# Altium PCB board.PcbDoc (part 2 of 2)
Units mil, origin at the board's own origin, x right, y up, seen from the top; angles counter-clockwise.
Board outline 7874.76 x 4803.15 mil, 2 copper layers (Top Layer, Bottom Layer); 212 components, 159 nets, 580 pads, 46 vias.
Unrouted connection lines stored in the file: 2.
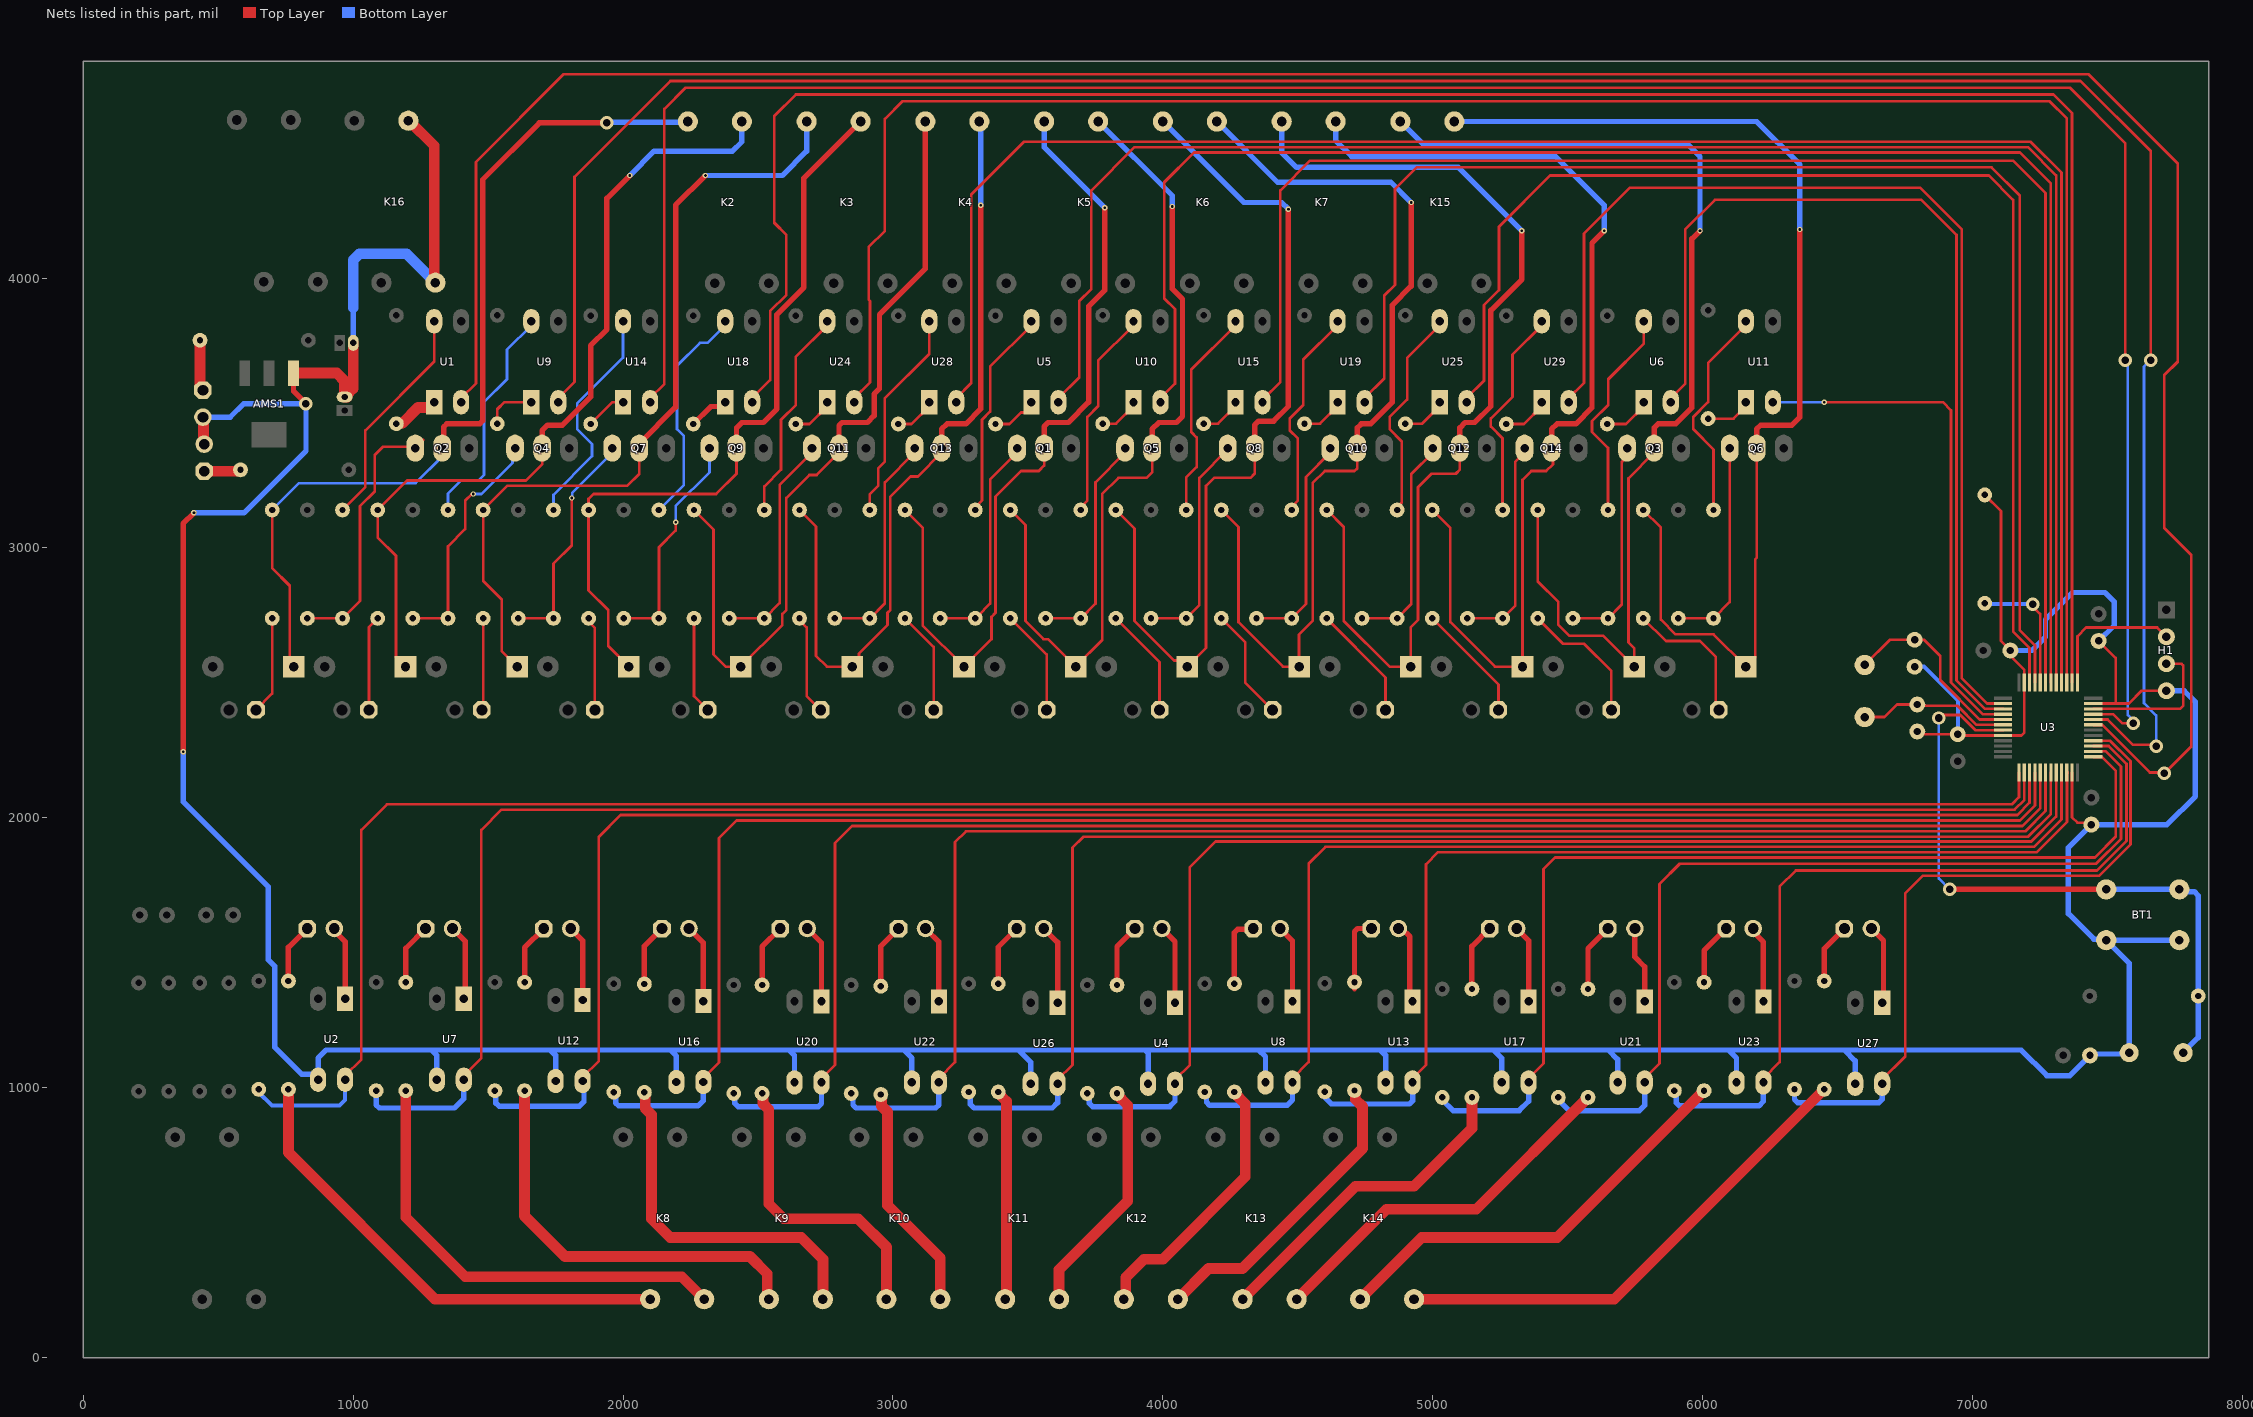
[diagram p2: the nets of this part, all layers, seen from the top]

## Via types
v1: diameter 20, hole 10, Top Layer to Bottom Layer, 27 vias
v2: diameter 50, hole 28, Top Layer to Bottom Layer, 14 vias
v3: diameter 157.48, hole 157.48, Top Layer to Bottom Layer, 4 vias
v4: diameter 30, hole 15, Top Layer to Bottom Layer, 1 vias

## Nets (pads, with @x,y where several pads share a name; then routed paths per layer and width w, separated by ;. In a path a pad name is that pad's centre, name@x,y a point inside that pad or via, vN(x,y) a via of type N, cw(c..) or ccw(c..) an arc to the next point about the centre after c; other vN are vias at no path point) (continued)
GND_33: AMS1.1 BT1.1 C1.2 C2.2 C3.2 C4.2 C5.2 C6.2 C7.2 C8.2 C12.2 C13.2 H1.4 K16.2 K16.4 L2.2 L3.2 R11.2 U2.3 U3.8 U3.23 U3.35 U3.47 U4.3 U7.3 U8.3 U12.3 U13.3 U16.3 U17.3 U20.3 U21.3 U22.3 U23.3 U26.3 U27.3 | length 19365.3
  Top Layer w10: C7.2@6820.57,2309.82 C3.2@6945.18,2309.82 ; C3.2@6935,2310 6939.53,2305.47 U3.8@7113.15,2305.47 7180.47,2305.47 7191.42,2316.42 U3.47@7191.42,2501.85 7191.42,2548.58 7148.43,2591.57 7148.43,2611.57 C4.2@7140,2620 7105,2655 7105,3136.57 R11.2@7045,3196.57 ; U3.23@7368.58,2168.15 7368.58,2001.42 7387.97,1982.03 C2.2@7432.97,1982.03 ; U3.35@7446.85,2423.58 7530,2423.58 ; C5.2@7466.77,2655.44 7530,2592.21 7530,2423.58 ; H1.4@7718,2471 7626,2471 7578.58,2423.58 7530,2423.58
  Top Layer w15: C2.2@7432.97,1982.03 C2.2@7440,1975
  Top Layer w20: v1(370,2245) 370,3090 v1(410,3130) ; AMS1.1@778.69,3647.83 778.69,3581.31 v2(825,3535)
  Top Layer w40: L3.2@443.14,3484.48 445.64,3481.98 445.64,3386.98 L2.2@448.14,3384.48 ; AMS1.1@778.69,3647.83 938.74,3647.83 968.14,3618.43 C12.2@968.14,3559.48 977.35,3559.48 977.67,3559.8 977.67,3569.01 1000,3591.34 C13.2@1000,3760 ; K16.4@1204.72,4583 1207,4583 1300,4490 1300,3987.72 K16.2@1304.72,3983
  Bottom Layer w15: C6.2@6785,2560 6820,2560 6945.18,2434.82 C3.2@6945.18,2309.82
  Bottom Layer w20: v1(370,2245) 370,2060 685,1745 685,1475 710,1450 710,1150 810,1050 851.52,1050 U2.3@870,1031.52 ; v1(410,3130) 595,3130 825,3360 v2(825,3535) 595,3535 544.48,3484.48 L3.2@443.14,3484.48 ; U2.3@870,1030 U2.3@870,1031.52 ; C13.2@1000,3760 1000,3890 ; U7.3@1310,1030 1310,1120 1290,1140 ; U12.3@1750,1025 1750,1120 1730,1140 ; U16.3@2197.46,1021.19 2197.46,1117.54 2175,1140 ; U20.3@2635,1020 2635,1120 2615,1140 ; U22.3@3070,1020 3070,1110 3040,1140 ; U26.3@3510,1015 3510,1095 3465,1140 ; U4.3@3945,1015 3945,1128.28 3933.28,1140 ; U8.3@4380,1020 4380,1115 4355,1140 ; U13.3@4825,1020 4825,1120 4805,1140 ; U17.3@5255,1020 5255,1110 5225,1140 ; U21.3@5685,1020 5685,1105 5650,1140 ; U23.3@6125,1020 6125,1110 6095,1140 ; U27.3@6565,1015 6565,1100 6525,1140 ; C4.2@7140,2620 7220,2620 7270,2670 7270,2735 7370,2835 7490,2835 7525,2800 7525,2713.67 C5.2@7466.77,2655.44 ; BT1.1@7495,1550.52 7449.48,1550.52 7355,1645 7355,1890 C2.2@7440,1975 7720,1975 7825,2080 7825,2430 7784,2471 H1.4@7718,2471 ; BT1.1@7766,1547 BT1.1@7495,1547 7580,1462 C8.2@7580,1130 7575,1125 7440,1125 C1.2@7435,1120 7360,1045 7275,1045 7180,1140 6525,1140 ; U2.3@870,1031.52 870,1110 900,1140 1290,1140 ; 1290,1140 1730,1140 ; 1730,1140 2175,1140 ; 2175,1140 2615,1140 ; 2615,1140 3040,1140 ; 3040,1140 3465,1140 ; 3465,1140 3933.28,1140 ; 3933.28,1140 4355,1140 ; 4355,1140 4805,1140 ; 4805,1140 5225,1140 ; 5225,1140 5650,1140 ; 5650,1140 6095,1140 ; 6095,1140 6525,1140
  Bottom Layer w40: 1000,3890 1000,4066.57 1023.43,4090 1197.72,4090 K16.2@1304.72,3983
IN1: K8.4 R16.1 | length 1799.7
  Top Layer w40: R16.1@760,994.21 760,760 1303.31,216.69 K8.4@2100.43,216.69
IN2: K8.3 R29.1 | length 1700.3
  Top Layer w40: R29.1@1195,989.21 1195,520 1415,300 2217.11,300 K8.3@2300.43,216.69
IN3: K9.4 R43.1 | length 1548.8
  Top Layer w40: R43.1@1635,989.21 1635,525 1785,375 2470,375 2533.77,311.23 2533.77,223.34 K9.4@2540.43,216.69
IN4: K9.3 R55.1 | length 1324.4
  Top Layer w40: R55.1@2078.84,982.89 2081.73,980 2081.73,923.27 2105,900 2105,515 2175,445 2660,445 2740.43,364.57 K9.3@2740.43,216.69
IN5: K10.4 R65.1 | length 1114.3
  Top Layer w40: R65.1@2515,979.21 2517.89,976.32 2517.89,942.11 2540,920 2540,570 2595,515 2870,515 2975.43,409.57 K10.4@2975.43,216.69
IN6: K10.3 R73.1 | length 849.6
  Top Layer w40: R73.1@2955,975 2957.89,972.11 2957.89,932.11 2980,910 2980,565 3175.43,369.57 K10.3@3175.43,216.69
IN7: K11.4 R83.1 | length 781.8
  Top Layer w40: R83.1@3390,984.21 3390,980.12 3420,950.12 3420,221.26 K11.4@3415.43,216.69
IN8: K11.3 R17.1 | length 884.5
  Top Layer w40: K11.3@3615.43,216.69 3615.43,325.43 3870,580 3870,935.12 3830,975.12 R17.1@3830,979.21
IN9: K12.4 R30.1 | length 1011.3
  Top Layer w40: K12.4@3855.43,216.69 3862.09,223.34 3862.09,297.09 3930,365 4000,365 4305,670 4305,940.12 4265,980.12 R30.1@4265,984.21
IN10: K12.3 R44.1 | length 1143.3
  Top Layer w40: K12.3@4055.43,216.69 4168.74,330 4295,330 4740,775 4740,930.12 4712.89,957.23 4712.89,987.11 R44.1@4710,990
IN11: K13.4 R56.1 | length 1226.1
  Top Layer w40: K13.4@4295.43,216.69 4713.74,635 4930,635 5145,850 R56.1@5145,964.21
IN12: K13.3 R66.1 | length 1389.2
  Top Layer w40: K13.3@4495.43,216.69 4828.74,550 5160.79,550 R66.1@5575,964.21
IN13: K14.4 R74.1 | length 1594.6
  Top Layer w40: K14.4@4730.43,216.69 4958.74,445 5460.79,445 R74.1@6005,989.21
IN14: K14.3 R84.1 | length 1841.6
  Top Layer w40: K14.3@4930.43,216.69 5672.47,216.69 R84.1@6450,994.21
NetBT1_2: BT1.2 C8.1 R12.1 U3.7 | length 2452.9
  Top Layer w10: v2(6875,2370) 6885.77,2380.77 6954.23,2380.77 7009.84,2325.16 U3.7@7113.15,2325.16
  Top Layer w20: v2(6915,1735) BT1.2@7495,1735
  Bottom Layer w10: v2(6875,2370) 6875,1775 v2(6915,1735)
  Bottom Layer w20: BT1.2@7495,1735 BT1.2@7766,1735 7774.5,1726.5 7821.78,1726.5 7835.79,1712.5 R12.1@7835.79,1340 7835.79,1185.79 C8.1@7780,1130
NetC6_1: C6.1 U3.5 Y1.2 | length 727
  Top Layer w10: Y1.2@6600,2566.46 6693.54,2660 C6.1@6785,2660 6820,2660 6880,2600 6880,2510 7025.47,2364.53 U3.5@7113.15,2364.53
NetC7_1: C7.1 U3.6 Y1.1 | length 563.5
  Top Layer w10: Y1.1@6600,2373.54 6673.54,2373.54 6720,2420 6820,2420 6825,2415 6945,2415 7015.16,2344.84 U3.6@7113.15,2344.84
NetL1_1: L1.1 R16.2 | length 223.2
  Top Layer w20: R16.2@760,1395.79 760,1520 L1.1@830,1590
NetL1_2: L1.2 U2.1 | length 276.6
  Top Layer w20: L1.2@930,1590 930,1581.61 970,1541.61 U2.1@970,1330
NetL2_1: L2.1 R9.1 | length 136.3
  Top Layer w40: L2.1@448.14,3284.48 573.26,3284.48 578.26,3289.48 R9.1@582.35,3289.48
NetL3_1: L3.1 R10.1 | length 189.5
  Top Layer w40: R10.1@432.35,3769.48 432.35,3599.8 443.14,3589.02 L3.1@443.14,3584.48
NetL4_1: L4.1 R17.2 | length 236.8
  Top Layer w20: R17.2@3830,1380.79 3830,1523.46 L4.1@3896.54,1590
NetL4_2: L4.2 U4.1 | length 295.1
  Top Layer w20: L4.2@3996.54,1590 4045,1541.54 U4.1@4045,1315
NetL5_1: L5.1 R22.1 | length 364.1
  Top Layer w10: L5.1@640,2400 700,2460 R22.1@700,2739.21
NetL6_1: L6.1 R23.1 | length 383.3
  Top Layer w10: R23.1@3044.39,2739.21 3150.77,2632.83 L6.1@3150.77,2400
NetL7_1: L7.1 R24.1 | length 497.3
  Top Layer w10: R24.1@5388.78,2739.21 5482.99,2645 5560,2645 5661.54,2543.46 L7.1@5661.54,2400
NetL8_1: L8.1 R29.2 | length 229.5
  Top Layer w20: R29.2@1195,1390.79 1195,1516.92 L8.1@1268.08,1590
NetL8_2: L8.2 U7.1 | length 281.5
  Top Layer w20: L8.2@1368.08,1590 1415,1543.08 1415,1335 U7.1@1410,1330
NetL9_1: L9.1 R30.2 | length 265.3
  Top Layer w20: R30.2@4265,1385.79 4265,1575.4 4276.72,1587.12 4331.73,1587.12 L9.1@4334.62,1590
NetL9_2: L9.2 U8.1 | length 289
  Top Layer w20: L9.2@4434.62,1590 4435,1590 4435,1589.62 4480,1544.62 U8.1@4480,1320
NetL10_1: L10.1 R38.1 | length 352.6
  Top Layer w10: L10.1@1058.46,2400 1058.46,2706.94 R38.1@1090.73,2739.21
NetL11_1: L11.1 R39.1 | length 394.8
  Top Layer w10: R39.1@3435.12,2739.21 3569.23,2605.1 L11.1@3569.23,2400
NetL12_1: L12.1 R40.1 | length 529.4
  Top Layer w10: R40.1@5779.51,2739.21 5863.72,2655 5990,2655 6048.75,2596.25 6048.75,2411.25 L12.1@6060,2400
NetL13_1: L13.1 R43.2 | length 228.7
  Top Layer w20: R43.2@1635,1390.79 1635,1518.85 L13.1@1706.15,1590
NetL13_2: L13.2 U12.1 | length 283.2
  Top Layer w20: L13.2@1806.15,1590 1806.15,1589.3 1850,1545.46 U12.1@1850,1325
NetL14_1: L14.1 R44.2 | length 280
  Top Layer w20: R44.2@4710,1365.79 4710,1578.28 4721.72,1590 L14.1@4772.69,1590
NetL14_2: L14.2 U13.1 | length 298.8
  Top Layer w20: L14.2@4872.69,1590 4884.87,1590 4914.87,1560 4914.87,1330.13 U13.1@4925,1320
NetL15_1: L15.1 R51.1 | length 341.1
  Top Layer w10: L15.1@1476.92,2400 1481.46,2404.54 R51.1@1481.46,2739.21
NetL16_1: L16.1 R52.1 | length 406.2
  Top Layer w10: R52.1@3825.85,2739.21 3987.69,2577.37 L16.1@3987.69,2400
NetL17_1: L17.1 R55.2 | length 232.6
  Top Layer w20: R55.2@2078.84,1384.47 2078.84,1524.61 L17.1@2144.23,1590
NetL17_2: L17.2 U16.1 | length 290.9
  Top Layer w20: L17.2@2244.23,1590 2297.46,1536.77 U16.1@2297.46,1321.19
NetL18_1: L18.1 R56.2 | length 251.5
  Top Layer w20: R56.2@5145,1365.79 5145,1524.23 L18.1@5210.77,1590
NetL18_2: L18.2 U17.1 | length 288.3
  Top Layer w20: L18.2@5310.77,1590 5355,1545.77 U17.1@5355,1320
NetL19_1: L19.1 R65.2 | length 237.1
  Top Layer w20: R65.2@2515,1380.79 2515,1522.69 L19.1@2582.31,1590
NetL19_2: L19.2 U20.1 | length 291.8
  Top Layer w20: L19.2@2682.31,1590 2735,1537.31 U20.1@2735,1320
NetL20_1: L20.1 R66.2 | length 254.8
  Top Layer w20: R66.2@5575,1365.79 5575,1516.15 L20.1@5648.85,1590
NetL20_2: L20.2 U21.1 | length 285
  Top Layer w20: L20.2@5748.85,1590 5748.85,1484.49 5785,1448.33 U21.1@5785,1320
NetL21_1: L21.1 R67.1 | length 348.8
  Top Layer w10: R67.1@1872.2,2739.21 1872.2,2727 1895.38,2703.81 L21.1@1895.38,2400
NetL22_1: L22.1 R68.1 | length 417.7
  Top Layer w10: R68.1@4216.59,2739.21 4305,2650.8 4305,2501.15 L22.1@4406.15,2400
NetL23_1: L23.1 R73.2 | length 240.5
  Top Layer w20: R73.2@2955,1376.57 2955,1524.62 L23.1@3020.38,1590
NetL23_2: L23.2 U22.1 | length 293.3
  Top Layer w20: L23.2@3120.38,1590 3125,1590 3125,1585.38 3170,1540.38 U22.1@3170,1320
NetL24_1: L24.1 R74.2 | length 233.1
  Top Layer w20: R74.2@6005,1390.79 6005,1508.08 L24.1@6086.92,1590
NetL24_2: L24.2 U23.1 | length 287.6
  Top Layer w20: L24.2@6186.92,1590 6190,1590 6190,1574.75 6225,1539.75 U23.1@6225,1320
NetL25_1: L25.1 R80.1 | length 429.2
  Top Layer w10: R80.1@4607.32,2739.21 4607.32,2737.68 4824.61,2520.39 L25.1@4824.61,2400
NetL26_1: L26.1 R79.1 | length 360.3
  Top Layer w10: R79.1@2262.93,2739.21 2262.93,2450.92 L26.1@2313.85,2400
NetL27_1: L27.1 R83.2 | length 232.6
  Top Layer w20: R83.2@3390,1385.79 3390,1521.54 L27.1@3458.46,1590
NetL27_2: L27.2 U26.1 | length 296.3
  Top Layer w20: L27.2@3558.46,1590 3610,1538.46 U26.1@3610,1315
NetL28_1: L28.1 R84.2 | length 225.3
  Top Layer w20: R84.2@6450,1395.79 6450,1515 L28.1@6525,1590
NetL28_2: L28.2 U27.1 | length 295.7
  Top Layer w20: L28.2@6625,1590 6670,1545 6670,1320 U27.1@6665,1315
NetL29_1: L29.1 R91.1 | length 440.7
  Top Layer w10: R91.1@4998.05,2739.21 5243.08,2494.18 L29.1@5243.08,2400
NetL30_1: L30.1 R92.1 | length 371.8
  Top Layer w10: R92.1@2653.66,2739.21 2653.66,2731.71 2680,2705.37 2680,2452.31 L30.1@2732.31,2400
NetQ1_3: Q1.3 R13.1 R19.2 | length 830.8
  Top Layer w10: R13.1@3174.63,2739.21 R19.2@3304.88,2739.21 3314.21,2739.21 3314.21,2748.55 3360,2794.33 3360,3253 3460,3353 Q1.3@3460,3370
NetQ2_3: Q2.3 R2.2 R4.1 | length 1016.4
  Top Layer w10: R4.1@830.24,2739.21 R2.2@960.49,2739.21 1025,2803.72 1025,3155 1080,3210 1080,3345 1110,3375 Q2.3@1230,3375 ; Q2.3@1230,3400 Q2.3@1260,3400
  Bottom Layer w10: Q2.3@1204.13,3347.28 1230,3373.15 Q2.3@1230,3375
NetQ3_3: Q3.3 R15.1 R21.2 | length 790.3
  Top Layer w10: R15.1@5519.02,2739.21 R21.2@5649.27,2739.21 5700,2789.94 5700,3319.14 5720,3339.14 Q3.3@5720,3370
NetQ4_3: Q4.3 R27.1 R33.2 | length 884.6
  Top Layer w10: R27.1@1220.98,2739.21 R33.2@1351.22,2739.21 1351.22,3006.22 1415,3070 1415,3175 1440,3200 v1(1445,3200)
  Bottom Layer w10: v1(1445,3200) 1475,3200 1590.06,3315.06 1590.06,3360.06 Q4.3@1600,3370
NetQ5_3: Q5.3 R28.1 R35.2 | length 829.1
  Top Layer w10: R28.1@3565.37,2739.21 R35.2@3695.61,2739.21 3750,2793.6 3750,3243 3860,3353 Q5.3@3860,3370
NetQ6_3: Q6.3 R31.1 R37.2 | length 785.9
  Top Layer w10: R31.1@5909.76,2739.21 R37.2@6040,2739.21 6100,2799.21 Q6.3@6100,3370
NetQ7_3: Q7.3 R45.1 R48.2 | length 851.4
  Top Layer w10: R45.1@1611.71,2739.21 R48.2@1741.95,2739.21 1741.95,2941.95 1810,3010 v1(1810,3185)
  Bottom Layer w10: v1(1810,3185) 1811.91,3186.91 1811.91,3204.91 1960,3353 Q7.3@1960,3370
NetQ8_3: Q8.3 R46.1 R50.2 | length 833.1
  Top Layer w10: R46.1@3956.1,2739.21 R50.2@4086.34,2739.21 4100.79,2739.21 4100.79,2753.66 4135,2787.87 4135,3260 4240,3365 Q8.3@4240,3370
NetQ9_3: Q9.3 R57.1 R60.2 | length 838.6
  Top Layer w10: R57.1@2002.44,2739.21 R60.2@2132.68,2739.21 2132.68,3002.68 2195,3065 v1(2195,3095)
  Bottom Layer w10: v1(2195,3095) 2195,3155 2320,3280 Q9.3@2320,3370
NetQ10_3: Q10.3 R58.1 R62.2 | length 827.3
  Top Layer w10: R58.1@4346.83,2739.21 R62.2@4477.07,2739.21 4489.21,2739.21 4489.21,2751.35 4530,2792.14 4530,3263 4620,3353 Q10.3@4620,3370
NetQ11_3: Q11.3 R71.1 R76.2 | length 834.2
  Top Layer w10: R71.1@2393.17,2739.21 R76.2@2523.41,2739.21 2580,2795.8 2580,3233 2700,3353 Q11.3@2700,3370
NetQ12_3: Q12.3 R72.1 R78.2 | length 815.8
  Top Layer w10: R72.1@4737.56,2739.21 R78.2@4867.8,2739.21 4920,2791.41 4920,3273 5000,3353 Q12.3@5000,3370
NetQ13_3: Q13.3 R85.1 R88.2 | length 829.7
  Top Layer w10: R85.1@2783.9,2739.21 R88.2@2914.15,2739.21 2970,2795.07 2970,3243 3080,3353 Q13.3@3080,3370
NetQ14_3: Q14.3 R86.1 R90.2 | length 794.8
  Top Layer w10: R86.1@5128.29,2739.21 R90.2@5258.54,2739.21 5305,2785.68 5305,3318 5340,3353 Q14.3@5340,3370
NetR1_2: R1.2 U1.1 | length 178.8
  Top Layer w40: R1.2@1160,3460.37 1162.89,3463.26 1183.26,3463.26 1240.07,3520.07 1290,3520.07 1300,3530.07 U1.1@1300,3540
NetR2_1: R2.1 U1.4 | length 839.8
  Top Layer w10: R2.1@960.49,3140.79 1045,3225.3 1045,3435 1300,3690 U1.4@1300,3840
NetR11_1: R11.1 U3.44 | length 470.4
  Top Layer w10: v2@7222.89,2782.64 7250.47,2755.06 U3.44@7250.47,2501.85
  Top Layer w15: v2@7222.89,2782.64 v2(7222.89,2792.11)
  Bottom Layer w15: R11.1@7055,2794.21 7057.11,2792.11 v2(7222.89,2792.11)
NetR18_2: R18.2 U5.1 | length 173.9
  Top Layer w10: R18.2@3380,3459.21 3431.94,3459.21 3474.62,3501.89 3487.73,3501.89 3512.73,3526.89 U5.1@3512.73,3540
NetR19_1: R19.1 U5.4 | length 785.3
  Top Layer w10: R19.1@3304.88,3140.79 3304.88,3150.73 3330,3175.85 3330,3475 3360,3505 3360,3672.27 3512.73,3825 U5.4@3512.73,3840
NetR20_2: R20.2 U6.1 | length 177.9
  Top Layer w10: R20.2@5646.15,3459.21 5716.03,3459.21 5781.82,3525 U6.1@5781.82,3540
NetR21_1: R21.1 U6.4 | length 803.2
  Top Layer w10: R21.1@5649.27,3140.79 5649.27,3370.73 5590,3430 5590,3470 5650,3530 5650,3625 5781.82,3756.82 U6.4@5781.82,3840
NetR32_2: R32.2 U9.1 | length 190.5
  Top Layer w10: R32.2@1533.85,3460.37 1533.85,3513.85 1560,3540 U9.1@1660,3540
NetR33_1: R33.1 U9.4 | length 865.2
  Bottom Layer w10: R33.1@1351.22,3140.79 1351.22,3201.22 1400,3250 1465,3250 1485,3270 1485,3540 1570,3625 1570,3735 1660,3825 U9.4@1660,3840
NetR34_2: R34.2 U10.1 | length 155.8
  Top Layer w10: R34.2@3776.92,3460.37 3826.28,3460.37 3890.91,3525 U10.1@3890.91,3540
NetR35_1: R35.1 U10.4 | length 782.5
  Top Layer w10: R35.1@3695.61,3140.79 3695.61,3152.19 3720,3176.58 3720,3485 3760,3525 3760,3694.09 3886.82,3820.91 3890.91,3820.91 U10.4@3890.91,3840
NetR36_2: R36.2 U11.1 | length 174
  Top Layer w10: R36.2@6020,3479.21 6114.21,3479.21 6160,3525 U11.1@6160,3540
NetR37_1: R37.1 U11.4 | length 814
  Top Layer w10: R37.1@6040,3140.79 6040,3365 5965,3440 5965,3485 6020,3540 6020,3685 6155,3820 6160,3820 U11.4@6160,3840
NetR47_2: R47.2 U14.1 | length 153.5
  Top Layer w10: R47.2@1880,3459.21 1960.79,3540 U14.1@2000,3540
NetR48_1: R48.1 U14.4 | length 851.7
  Bottom Layer w10: R48.1@1741.95,3140.79 1741.95,3196.95 1885,3340 1885,3385 1830,3440 1830,3535 2000,3705 U14.4@2000,3840
NetR49_2: R49.2 U15.1 | length 160.1
  Top Layer w10: R49.2@4150.77,3460.37 4204.46,3460.37 4269.09,3525 U15.1@4269.09,3540
NetR50_1: R50.1 U15.4 | length 791.5
  Top Layer w10: R50.1@4086.34,3140.79 4086.34,3261.34 4125,3300 4125,3410 4105,3430 4105,3660.91 4269.09,3825 U15.4@4269.09,3840
NetR59_2: R59.2 U18.1 | length 151.6
  Top Layer w20: R59.2@2260,3459.21 2325,3524.21 2362.39,3524.21 U18.1@2378.18,3540
NetR60_1: R60.1 U18.4 | length 838.1
  Bottom Layer w10: R60.1@2132.68,3140.79 2225,3233.1 2225,3415 2200,3440 2200,3675 2285,3760 2313.18,3760 2378.18,3825 U18.4@2378.18,3840
NetR61_2: R61.2 U19.1 | length 164.4
  Top Layer w10: R61.2@4524.61,3460.37 4582.64,3460.37 4647.27,3525 U19.1@4647.27,3540
NetR62_1: R62.1 U19.4 | length 794.6
  Top Layer w10: R62.1@4477.07,3140.79 4477.07,3153 4500,3175.92 4500,3405 4470,3435 4470,3480 4520,3530 4520,3697.73 4647.27,3825 U19.4@4647.27,3840
NetR75_2: R75.2 U24.1 | length 158.6
  Top Layer w10: R75.2@2640,3459.21 2690.58,3459.21 2756.36,3525 U24.1@2756.36,3540
NetR76_1: R76.1 U24.4 | length 801.6
  Top Layer w10: R76.1@2523.41,3140.79 2524.21,3140.79 2530,3146.57 2523.41,3153.16 2523.41,3228.41 2585,3290 2585,3475 2640,3530 2640,3708.64 2756.36,3825 U24.4@2756.36,3840
NetR77_2: R77.2 U25.1 | length 168.8
  Top Layer w10: R77.2@4898.46,3460.37 4960.82,3460.37 5025.45,3525 U25.1@5025.45,3540
NetR78_1: R78.1 U25.4 | length 801.8
  Top Layer w10: R78.1@4867.8,3140.79 4867.8,3152.01 4885,3169.2 4885,3395 4840,3440 4840,3485 4905,3550 4905,3704.55 5025.45,3825 U25.4@5025.45,3840
NetR87_2: R87.2 U28.1 | length 156.8
  Top Layer w10: R87.2@3020,3459.21 3068.76,3459.21 3134.55,3525 U28.1@3134.55,3540
NetR88_1: R88.1 U28.4 | length 790.5
  Top Layer w10: R88.1@2914.15,3140.79 2914.15,3199.15 2945,3230 2945,3295 2970,3320 2970,3555 3134.55,3719.55 U28.4@3134.55,3840
NetR89_2: R89.2 U29.1 | length 173.6
  Top Layer w10: R89.2@5272.31,3459.21 5337.85,3459.21 5403.64,3525 U29.1@5403.64,3540
NetR90_1: R90.1 U29.4 | length 795.4
  Top Layer w10: R90.1@5258.54,3140.79 5258.54,3406.46 5215,3450 5215,3480 5295,3560 5295,3716.36 5403.64,3825 U29.4@5403.64,3840
OUT1: D1.2 K2.3 Q2.2 R22.2 | length 3328
  Top Layer w10: R22.2@700,3140.79 700,2925 765,2860 765,2575 D1.2@780,2560
  Top Layer w20: Q2.2@1335,3403.49 1335,3448.28 1346.72,3460 1468.28,3460 1480,3471.72 1480,4365 1690,4575 v2(1940,4575)
  Bottom Layer w10: R22.2@700,3140.79 799.21,3240 1230.64,3240 1330,3339.36 Q2.2@1330,3370 Q2.2@1330,3399.36 ; v2(1940,4575) v2@1942.5,4577.5 ; K2.3@2237.5,4577.5 K2.3@2240,4580
  Bottom Layer w20: v2@1942.5,4577.5 K2.3@2237.5,4577.5
OUT2: D4.2 K2.4 Q4.2 R38.2 | length 3081.5
  Top Layer w10: D4.2@1193.85,2560 1158.85,2595 1158.85,2971.15 1090.73,3039.27 R38.2@1090.73,3140.79 1199.94,3250 1640,3250 1700,3310 Q4.2@1700,3370
  Top Layer w20: Q4.2@1700,3370 1700,3435 1720,3455 1775,3455 1880,3560 1880,3750 1940,3810 1940,4295 v1(2025,4380)
  Bottom Layer w20: v1(2025,4380) 2115,4470 2405,4470 2440,4505 K2.4@2440,4580
OUT3: D7.2 K3.3 Q7.2 R51.2 | length 2996
  Top Layer w10: D7.2@1607.69,2560 1550,2617.69 1550,2810 1481.46,2878.54 R51.2@1481.46,3140.79 1570.68,3230 2015,3230 2060,3275 Q7.2@2060,3370 Q7.2@2060,3387
  Top Layer w20: Q7.2@2060,3387 2195,3522 2195,4270 v1(2305,4380)
  Bottom Layer w20: v1(2305,4380) 2590,4380 2680,4470 K3.3@2680,4580
OUT4: D9.2 K3.4 Q9.2 R67.2 | length 2812.7
  Top Layer w10: D9.2@2021.54,2560 1945,2636.54 1945,2770 1872.2,2842.8 1872.2,3182.2 1890,3200 2345,3200 2420,3275 Q9.2@2420,3370
  Top Layer w20: Q9.2@2420,3370 2420,3445 2440,3465 2520,3465 2570,3515 2570,3865 2670,3965 2670,4370 K3.4@2880,4580
OUT5: D11.2 K4.3 Q11.2 R79.2 | length 3078
  Top Layer w10: R79.2@2262.93,3140.79 2335,3068.71 2335,2605 2380,2560 D11.2@2435.38,2560 2590,2714.62 2590,2755 2605,2770 2605,3185 2690,3270 2717,3270 2800,3353 Q11.2@2800,3370
  Top Layer w20: Q11.2@2800,3370 2800,3390 2795,3395 2801.62,3401.62 2805,3405 2798.25,3405 2795,3408.25 2800,3408.25 2800,3453.28 2811.72,3465 2905,3465 2930,3490 2930,3570 2950,3590 2950,3865 3120,4035 K4.3@3120,4580
OUT6: D13.2 K4.4 Q13.2 R92.2 | length 2993
  Top Layer w10: R92.2@2653.66,3140.79 2715,3079.45 2715,2600 2755,2560 D13.2@2849.23,2560 2874.14,2584.91 2874.14,2609.14 2980,2715 2980,2760 2990,2770 2990,3190 3065,3265 3092,3265 3180,3353 Q13.2@3180,3370
  Top Layer w20: Q13.2@3180,3370 3180,3440 3200,3460 3270,3460 3325,3515 v1(3325,4270)
  Bottom Layer w20: K4.4@3320,4580 3325,4575 v1(3325,4270)
OUT7: D2.2 K5.3 Q1.2 R23.2 | length 3082.8
  Top Layer w10: R23.2@3044.39,3140.79 3110,3075.18 3110,2713.08 D2.2@3263.08,2560 3365,2661.92 3365,2745 3380,2760 3380,3190 3475,3285 3540,3285 3560,3305 Q1.2@3560,3370
  Top Layer w20: Q1.2@3560,3370 3560,3450 3575,3465 3650,3465 3725,3540 3725,3895 3785,3955 v1(3785,4260)
  Bottom Layer w20: K5.3@3560,4580 3560,4485 v1(3785,4260)
OUT8: D5.2 K5.4 Q5.2 R39.2 | length 3103.7
  Top Layer w10: R39.2@3435.12,3140.79 3490.91,3085 3490.91,2729.09 3557.95,2662.05 3574.88,2662.05 D5.2@3676.92,2560 3775,2658.08 3775,3200 3835,3260 3940,3260 3960,3280 Q5.2@3960,3370
  Top Layer w20: Q5.2@3960,3370 3960,3440 3985,3465 4050,3465 4072.5,3487.5 4072.5,3922.5 4035,3960 v1(4035,4265)
  Bottom Layer w20: K5.4@3760,4580 4035,4305 v1(4035,4265)
OUT9: D8.2 K6.3 Q8.2 R52.2 | length 3266.5
  Top Layer w10: R52.2@3825.85,3140.79 3895,3071.64 3895,2730 4041.63,2583.37 4067.4,2583.37 D8.2@4090.77,2560 4160,2629.23 4160,3230 4190,3260 4325,3260 4340,3275 Q8.2@4340,3370
  Top Layer w20: Q8.2@4340,3370 4340,3455 4355,3470 4410,3470 4465,3525 v1(4465,4255)
  Bottom Layer w20: K6.3@4000,4580 4300,4280 4440,4280 v1(4465,4255)
OUT10: D10.2 K6.4 Q10.2 R68.2 | length 3556.3
  Top Layer w10: R68.2@4216.59,3140.79 4280,3077.37 4280,2725 4445,2560 D10.2@4504.61,2560 4504.61,2679.61 4555,2730 4555,3240 4600,3285 4710,3285 4720,3295 Q10.2@4720,3370
  Top Layer w20: Q10.2@4720,3370 4720,3445 4735,3460 4770,3460 4850,3540 4850,3900 4920,3970 v1(4920,4280)
  Bottom Layer w20: K6.4@4200,4580 4425,4355 4845,4355 v1(4920,4280)
OUT11: D12.2 K7.3 Q12.2 R80.2 | length 3739.4
  Top Layer w10: R80.2@4607.32,3140.79 4670,3078.1 4670,2730 4840,2560 D12.2@4918.46,2560 4918.46,2706.54 4945,2733.08 4945,3225 4995,3275 5085,3275 5100,3290 Q12.2@5100,3370
  Top Layer w20: Q12.2@5100,3370 5100,3445 5120,3465 5155,3465 5215,3525 5215,3880 5330,3995 v1(5330,4175)
  Bottom Layer w20: K7.3@4440,4580 4440,4465 4495,4410 5095,4410 v1(5330,4175)
OUT12: D14.2 K7.4 Q14.2 R91.2 | length 3856.3
  Top Layer w10: R91.2@4998.05,3140.79 5065,3073.84 5065,2725 5230,2560 D14.2@5332.31,2560 5332.31,3252.31 5365,3285 5420,3285 5445,3310 5445,3365 Q14.2@5440,3370
  Top Layer w20: Q14.2@5440,3370 5440,3440 5460,3460 5530,3460 5590,3520 5590,4130 v1(5635,4175)
  Bottom Layer w20: K7.4@4640,4580 4640,4510 4700,4450 5455,4450 5635,4270 v1(5635,4175)
OUT13: D3.2 K15.3 Q3.2 R24.2 | length 4013.2
  Top Layer w10: R24.2@5388.78,3140.79 5388.78,2876.22 5465,2800 5465,2715 5505,2675 5631.15,2675 D3.2@5746.15,2560 5746.15,2628.85 5725,2650 5725,3258 5820,3353 Q3.2@5820,3370
  Top Layer w20: Q3.2@5820,3370 5820,3445 5835,3460 5900,3460 5960,3520 5960,4145 v1(5990,4175)
  Bottom Layer w20: K15.3@4880,4580 4965,4495 5945,4495 5990,4450 v1(5990,4175)
OUT14: D6.2 K15.4 Q6.2 R40.2 | length 4180.6
  Top Layer w10: R40.2@5779.51,3140.79 5845,3075.3 5845,2735 5900,2680 6040,2680 D6.2@6160,2560 6195,2595 6195,2958.57 6200,2963.57 Q6.2@6200,3370
  Top Layer w20: Q6.2@6200,3370 6200,3440 6215,3455 6330,3455 6360,3485 v1(6360,4180)
  Bottom Layer w20: K15.4@5080,4580 6200,4580 6360,4420 v1(6360,4180)
  Bottom Layer w40: R40.2@5775.79,3140.79 R40.2@5779.51,3140.79
st_in1: R3.1 U2.4 U3.13 | length 7667.6
  Top Layer w10: U2.4@970,1045 1030,1105 1030,1955 1125,2050 7145,2050 7171.73,2076.73 U3.13@7171.73,2168.15
  Top Layer w15: U2.4@970,1030 U2.4@970,1045
  Bottom Layer w15: R3.1@650,994.21 650,983.42 698.42,935 950,935 970,955 U2.4@970,1030
st_in2: R25.1 U3.14 U7.4 | length 7283.1
  Top Layer w10: U7.4@1410,1045 1475,1110 1475,1955 1550.32,2030.32 7155.31,2030.32 7191.42,2066.42 U3.14@7191.42,2168.15
  Top Layer w15: U7.4@1410,1030 U7.4@1410,1045
  Bottom Layer w20: R25.1@1085,989.21 1085,936.72 1096.72,925 1375,925 1410,960 U7.4@1410,1030
st_in3: R41.1 U3.15 U12.4 | length 6859.6
  Top Layer w10: U12.4@1850,1040 1910,1100 1910,1930 1990.63,2010.63 2590,2010.63 7165.63,2010.63 7211.1,2056.1 U3.15@7211.1,2168.15
  Top Layer w15: U12.4@1850,1025 U12.4@1850,1040
  Bottom Layer w20: R41.1@1525,989.21 1528.35,985.87 1528.35,943.37 1540.06,931.65 1838.35,931.65 1855,948.31 1855,1020 U12.4@1850,1025
st_in4: R53.1 U3.16 U16.4 | length 6425
  Top Layer w10: U16.4@2297.46,1036.19 2355,1093.73 2355,1925 2420,1990 7175,1990 7230.79,2045.79 U3.16@7230.79,2168.15
  Top Layer w15: U16.4@2297.46,1021.19 U16.4@2297.46,1036.19
  Bottom Layer w20: R53.1@1965.59,983.88 1972.31,977.16 1972.31,944.4 1984.03,932.69 2277.69,932.69 2297.46,952.46 U16.4@2297.46,1021.19
st_in5: R63.1 U3.17 U20.4 | length 6006.8
  Top Layer w10: U20.4@2735,1035 2785,1085 2785,1906.26 2848.74,1970 7185,1970 7250.47,2035.47 U3.17@7250.47,2168.15
  Top Layer w15: U20.4@2735,1020 U20.4@2735,1035
  Bottom Layer w20: R63.1@2410,979.21 2413.9,975.31 2413.9,941.72 2425.62,930 2723.28,930 2735,941.72 U20.4@2735,1020
st_in6: R69.1 U3.18 U22.4 | length 5602.3
  Top Layer w10: U22.4@3170,1035 3230,1095 3230,1910 3270,1950 7195,1950 7270.16,2025.16 U3.18@7270.16,2168.15
  Top Layer w15: U22.4@3170,1020 U22.4@3170,1035
  Bottom Layer w20: R69.1@2845,979.21 2851.72,972.49 2851.72,936.72 2863.44,925 3158.28,925 3170,936.72 U22.4@3170,1020
st_in7: R81.1 U3.19 U26.4 | length 5183.4
  Top Layer w10: U26.4@3610,1030 3665,1085 3665,1890 3705,1930 4030,1930 7205,1930 7289.84,2014.84 U3.19@7289.84,2168.15
  Top Layer w15: U26.4@3610,1015 U26.4@3610,1030
  Bottom Layer w20: R81.1@3280,984.21 3286.72,977.49 3286.72,938.28 3300,925 3590,925 3610,945 U26.4@3610,1015
st_in8: R14.1 U3.20 U4.4 | length 4711.5
  Top Layer w10: U4.4@4045,1030 4100,1085 4100,1817.2 4195,1912.2 7217.2,1912.2 7309.53,2004.53 U3.20@7309.53,2168.15
  Top Layer w15: U4.4@4045,1015 U4.4@4045,1030
  Bottom Layer w20: R14.1@3720,979.21 3726.72,972.49 3726.72,943.28 3740,930 4025,930 4045,950 U4.4@4045,1015
st_in9: R26.1 U3.21 U8.4 | length 4302.7
  Top Layer w10: U8.4@4480,1035 4540,1095 4540,1830 4602.52,1892.52 4905,1892.52 7227.52,1892.52 7329.21,1994.21 U3.21@7329.21,2168.15
  Top Layer w15: U8.4@4480,1020 U8.4@4480,1035
  Bottom Layer w20: R26.1@4155,984.21 4161.72,977.49 4161.72,946.72 4173.44,935 4460,935 4480,955 U8.4@4480,1020
st_in10: R42.1 U3.22 U13.4 | length 3860.4
  Top Layer w10: U13.4@4925,1035 4975,1085 4975,1827.83 5020,1872.83 7237.83,1872.83 7350,1985 U3.22@7350,2167.05
  Top Layer w15: U13.4@4925,1020 U13.4@4925,1035 ; U3.22@7348.9,2168.15 U3.22@7350,2167.05
  Bottom Layer w20: R42.1@4600,964.21 4624.21,940 4913.28,940 4925,951.72 U13.4@4925,1020
st_in11: R54.1 U3.25 U17.4 | length 3762.5
  Top Layer w10: U17.4@5355,1035 5410,1090 5410,1810 5452.82,1852.82 7452.82,1852.82 7530,1930 7530,2175 7479.17,2225.83 7447.76,2225.83 U3.25@7446.85,2226.73
  Top Layer w15: U17.4@5355,1020 U17.4@5355,1035
  Bottom Layer w20: R54.1@5035,964.21 5035,954.71 5074.71,915 5320,915 5355,950 U17.4@5355,1020
st_in12: R64.1 U3.26 U21.4 | length 3370.6
  Top Layer w10: U21.4@5785,1035 5840,1090 5840,1755 5915,1830 7457.84,1830 7550,1922.16 7550,2190 7493.58,2246.42 U3.26@7446.85,2246.42
  Top Layer w15: U21.4@5785,1020 U21.4@5785,1035
  Bottom Layer w20: R64.1@5465,964.21 5465,954.71 5504.71,915 5765,915 5785,935 U21.4@5785,1020
st_in13: R70.1 U3.27 U23.4 | length 2993.3
  Top Layer w10: U23.4@6225,1035 6285,1095 6285,1745 6345,1805 7460.68,1805 7570,1914.32 7570,2200 7503.9,2266.1 U3.27@7446.85,2266.1
  Top Layer w15: U23.4@6225,1020 U23.4@6225,1035
  Bottom Layer w20: R70.1@5895,989.21 5901.72,982.49 5901.72,945 5913.44,933.28 6208.28,933.28 6225,950 U23.4@6225,1020
st_in14: R82.1 U3.28 U27.4 | length 2558.9
  Top Layer w10: U27.4@6665,1030 6750,1115 6750,1720 6815,1785 7468.52,1785 7585,1901.48 7585,2210 7509.21,2285.79 U3.28@7446.85,2285.79
  Top Layer w15: U27.4@6665,1015 U27.4@6665,1030
  Bottom Layer w20: R82.1@6340,994.21 6340,956.72 6351.72,945 6653.28,945 6665,956.72 U27.4@6665,1015
st_out1: U1.2 U3.31 | length 10190.3
  Top Layer w10: U1.2@1400,3540 1400,3555 1455,3610 1455,4430 1780,4755 7430,4755 7760,4425 7760,3690 7710,3640 7710,3074.59 7810,2974.59 7810,2265 v2(7710,2165) 7706.72,2168.28 7656.72,2168.28 7481.06,2343.94 7447.76,2343.94 U3.31@7446.85,2344.84
st_out2: U3.32 U9.2 | length 9464
  Top Layer w10: U9.2@1760,3540 1760,3555 1820,3615 1820,4375 2175,4730 7400,4730 7660,4470 v2(7660,3695) ; U3.32@7446.85,2364.53 7500.47,2364.53 7594.22,2270.78 7674.22,2270.78 v2(7680,2265)
  Bottom Layer w10: v2(7660,3695) 7658.28,3695 7635,3671.72 7635,2425 7680,2380 v2(7680,2265)
st_out3: U3.33 U14.2 | length 8963
  Top Layer w10: U14.2@2100,3540 2100,3555 2152.71,3607.71 2152.71,4626.85 2230.86,4705 7360,4705 7565,4500 v2(7565,3695) ; U3.33@7446.85,2384.21 7520.79,2384.21 7555,2350 v2(7595,2350)
  Bottom Layer w10: v2(7565,3695) 7565,3684.18 7575,3674.18 7575,2380.82 7595,2360.82 v2(7595,2350)
st_out4: U3.38 U18.2 | length 8110.9
  Top Layer w10: U18.2@2478.18,3540 2478.18,3555 2545,3621.82 2545,3878.02 2605,3938.02 2605,4160 2560,4205 2560,4600 2640,4680 7300,4680 7368.58,4611.42 U3.38@7368.58,2501.85
st_out5: U3.39 U24.2 | length 7622.8
  Top Layer w10: U24.2@2856.36,3540 2856.36,3555 2915,3613.64 2915,3915 2910,3920 2910,4115 2970,4175 2970,4590 3035,4655 7285,4655 7348.9,4591.1 U3.39@7348.9,2501.85
st_out6: U3.40 U28.2 | length 6849.2
  Top Layer w10: U28.2@3234.55,3540 3234.55,3555 3290,3610.45 3290,4310 3485,4505 7215,4505 7329.21,4390.79 U3.40@7329.21,2501.85
st_out7: U3.41 U5.2 | length 6398.4
  Top Layer w10: U5.2@3612.73,3540 3612.73,3555 3690,3632.27 3690,3915 3735,3960 3735,4325 3895,4485 7205,4485 7309.53,4380.47 U3.41@7309.53,2501.85
st_out8: U3.42 U10.2 | length 6080.1
  Top Layer w10: U10.2@3990.91,3540 3990.91,3555 4044.82,3608.92 4044.82,3885.18 4005,3925 4005,4355 4115,4465 7175,4465 7289.84,4350.16 U3.42@7289.84,2501.85
st_out9: U3.43 U15.2 | length 5555.8
  Top Layer w10: U15.2@4369.09,3540 4369.09,3549.09 4435,3615 4435,4325 4545,4435 7150,4435 7270.16,4314.84 U3.43@7270.16,2501.85
st_out10: U3.45 U19.2 | length 5054.6
  Top Layer w10: U19.2@4747.27,3540 4747.27,3555 4820,3627.73 4820,3935 4860,3975 4860,4330 4940,4410 7070,4410 7175,4305 7175,2695 7230.79,2639.21 U3.45@7230.79,2501.85
st_out11: U3.46 U25.2 | length 4534
  Top Layer w10: U25.2@5125.45,3540 5125.45,3555 5190,3619.55 5190,3900 5245,3955 5245,4190 5435,4380 7060,4380 7150,4290 7150,2690 7211.1,2628.9 U3.46@7211.1,2501.85
st_out12: U3.2 U29.2 | length 4037.7
  Top Layer w10: U29.2@5503.64,3540 5503.64,3555 5560,3611.36 5560,4165 5730,4335 6805,4335 6960,4180 6960,2517.16 7053.58,2423.58 U3.2@7113.15,2423.58
st_out13: U3.3 U6.2 | length 3633.9
  Top Layer w10: U6.2@5881.82,3540 5881.82,3555 5935,3608.18 5935,4180 6045,4290 6810,4290 6940,4160 6940,2509.32 7045.42,2403.9 U3.3@7113.15,2403.9
st_out14: U3.4 U11.2 | length 1922.7
  Top Layer w10: v1(6450,3540) 6890,3540 6920,3510 6920,2501.48 7037.27,2384.21 U3.4@7113.15,2384.21
  Bottom Layer w10: U11.2@6260,3540 v1(6450,3540)
SWCLK: H1.2 U3.37 | length 528.2
  Top Layer w10: U3.37@7388.27,2501.85 7388.27,2672.73 7420.65,2705.11 7683.89,2705.11 H1.2@7718,2671
SWDIO: H1.3 U3.34 | length 552.2
  Top Layer w10: U3.34@7446.85,2403.9 7768.9,2403.9 7780,2415 7780,2565 7774,2571 H1.3@7718,2571
pads on no net: U3.10 U3.29 U3.30
copper on no net:
  other v3: 120,125 7730,125 140,4675 7740,4680

## Polygon pours and split planes (outlines as drawn)
GND_33 on Top Layer "top" (hatched Horizontal grid 10 track 8, remove dead copper, pour order 0): 0,4805 7875,4805 7875,0 0,0
GND_33 on Bottom Layer "top" (hatched Horizontal grid 10 track 8, remove dead copper, pour order 2): 5,4800 10,4795 7865,4795 7865,0 7850,15 0,15 0,4800

## Keep-outs
Keep-Out Layer:
  lines w1: 7874.02,0 0,0 0,4803.15 7874.02,4803.15 ; 7874.76,0 7874.76,4803.15